# Altium PCB FPGA_POETIC.PcbDoc (part 1 of 3) (continued)
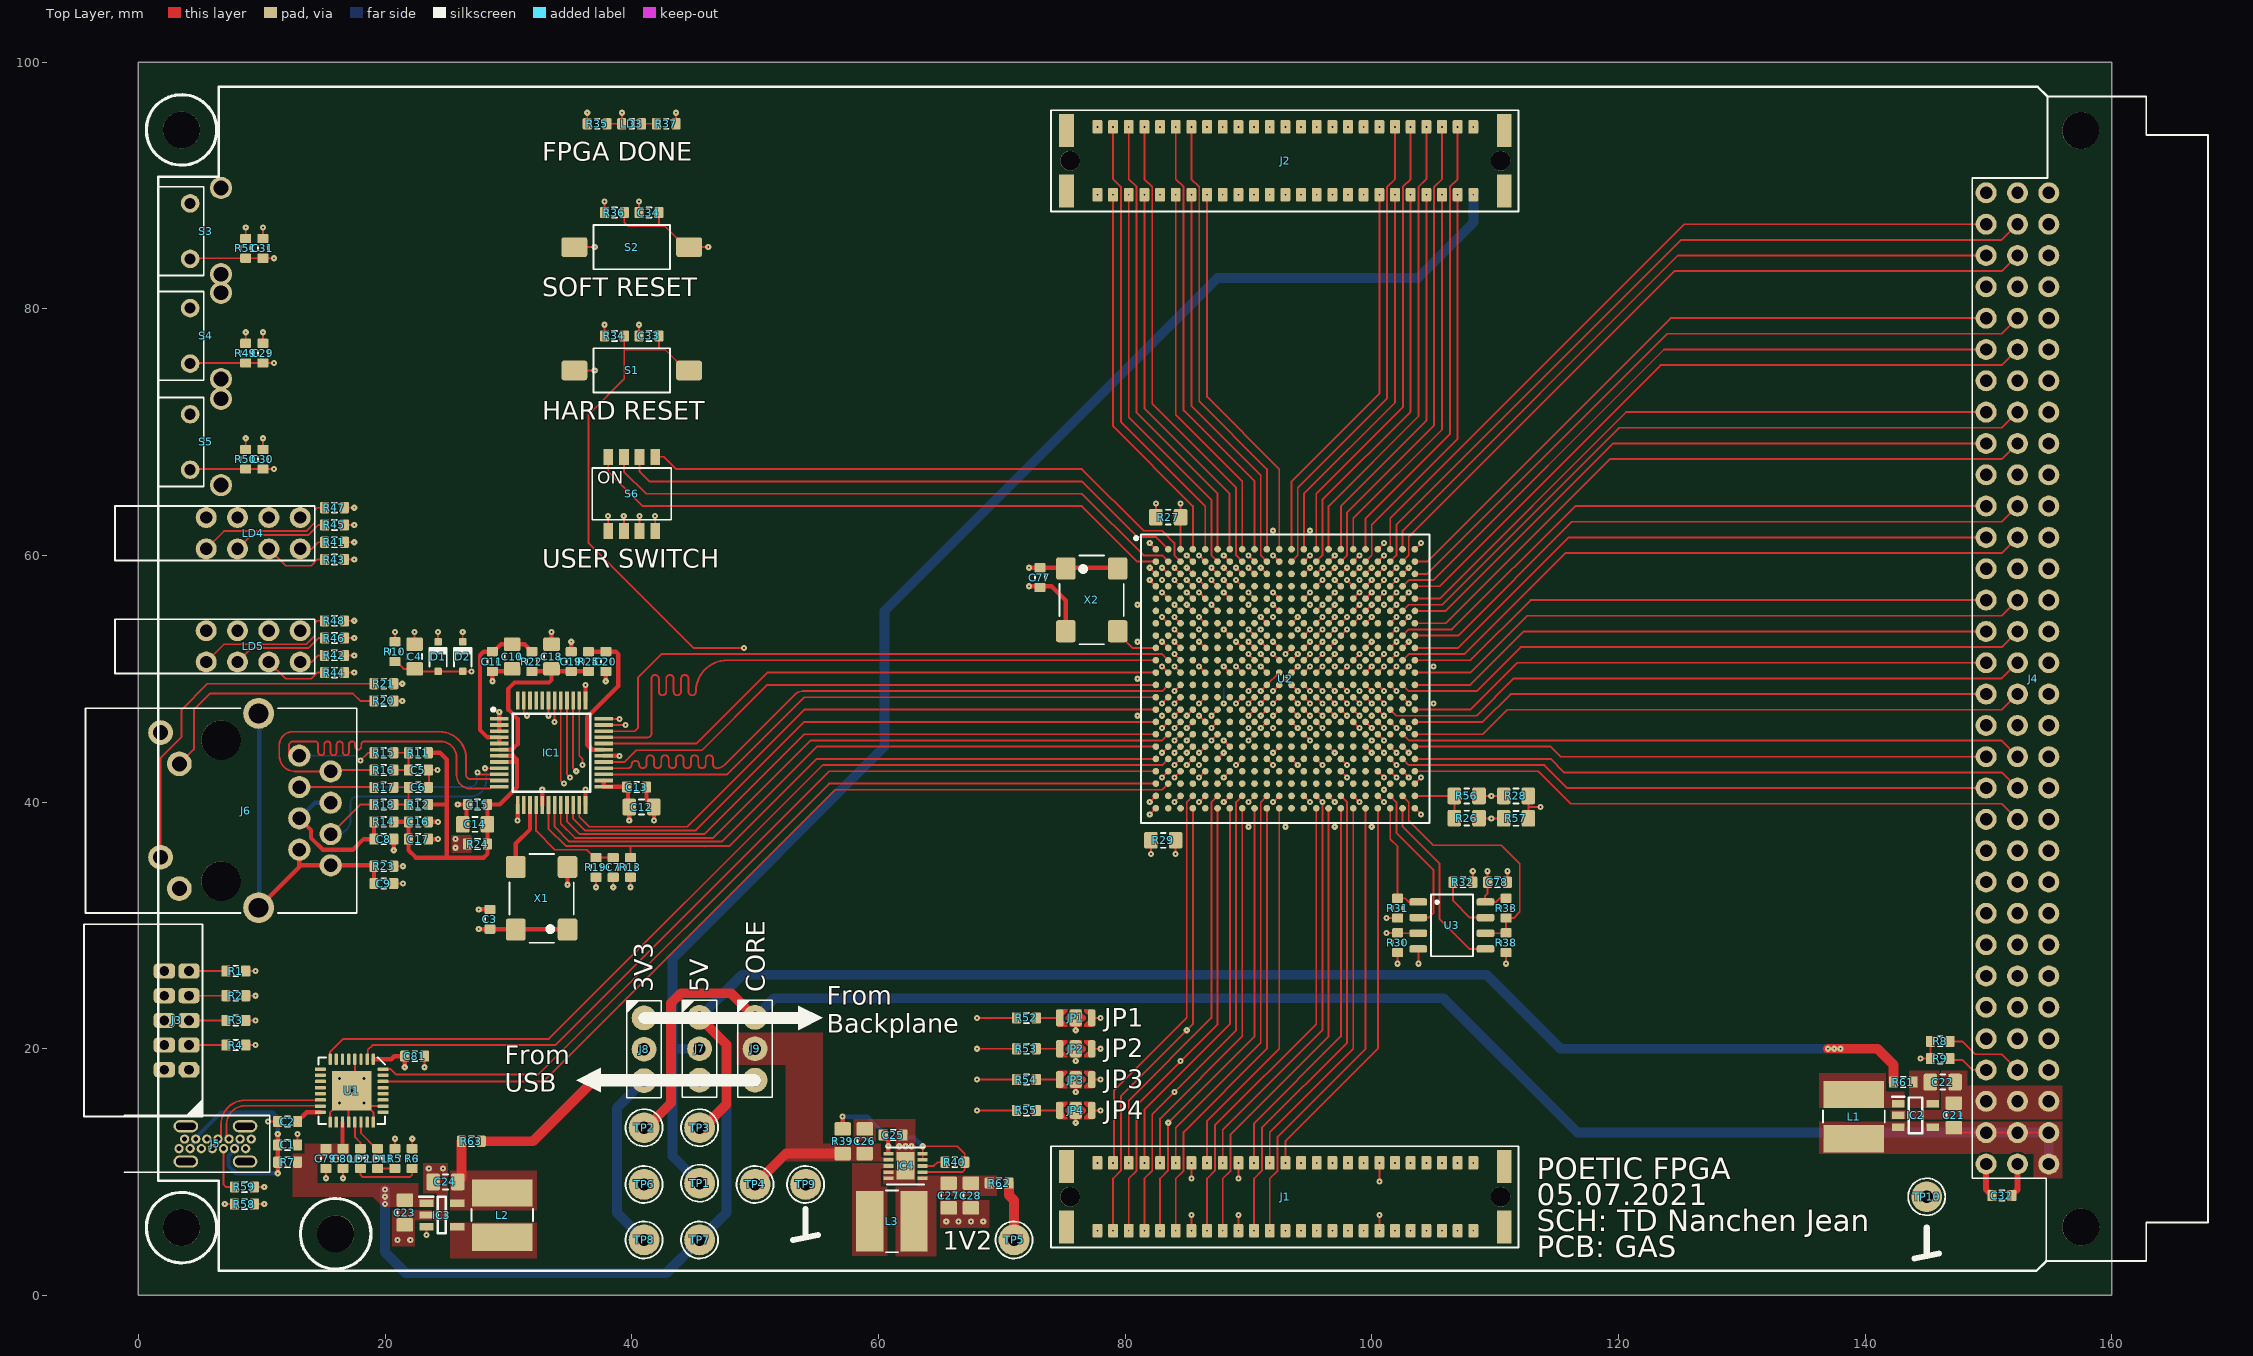
[diagram p0: Top Layer view]
## Components (designator, comment, footprint, x,y, rotation, side; value= is the part's Value field where it differs from the comment) (continued)
R13 "4.7k" "RESISTOR 1608 REFLOW" 39.9,34.7 r270 top
R14 "0" "RESISTOR 1608 REFLOW" 19.9,38.4 r0 top
R15 "49.9" "RESISTOR 1608 REFLOW" 19.9,44 r0 top
R16 "49.9" "RESISTOR 1608 REFLOW" 19.9,42.6 r0 top
R17 "49.9" "RESISTOR 1608 REFLOW" 19.9,41.2 r0 top
R18 "49.9" "RESISTOR 1608 REFLOW" 19.9,39.8 r0 top
R19 "6.49k" "RESISTOR 1608 REFLOW" 37.1,34.7 r90 top
R20 "330" "RESISTOR 1608 REFLOW" 19.9,48.2 r180 top
R21 "330" "RESISTOR 1608 REFLOW" 19.9,49.6 r180 top
R22 "Ferrite" "RESISTOR 1608 REFLOW" 31.9,51.4 r270 top
R23 "10M" "RESISTOR 1608 REFLOW" 19.9,34.8 r0 top
R24 "Ferrite" "RESISTOR 1608 REFLOW" 27.5,36.6 r180 top
R25 "Ferrite" "RESISTOR 1608 REFLOW" 36.5,51.4 r270 top
R26 "0" "RESISTOR 2012 REFLOW" 107.7,38.7 r0 top
R27 "0" "RESISTOR 2012 REFLOW" 83.5,63.1 r0 top
R28 "0" "RESISTOR 2012 REFLOW" 111.7,40.5 r0 top
R29 "4.7k" "RESISTOR 2012 REFLOW" 83.1,36.9 r180 top
R30 "10k" "RESISTOR 1608 REFLOW" 102.1,28.6 r270 top
R31 "10k" "RESISTOR 1608 REFLOW" 102.1,31.4 r270 top
R32 "10k" "RESISTOR 1608 REFLOW" 107.4,33.5 r0 top
R33 "100" "RESISTOR 1608 REFLOW" 110.9,31.4 r90 top
R34 "4.7k" "RESISTOR 1608 REFLOW" 38.6,77.8 r180 top
R35 "330" "RESISTOR 1608 REFLOW" 37.2,95 r180 top
R36 "4.7k" "RESISTOR 1608 REFLOW" 38.6,87.8 r180 top
R37 "100" "RESISTOR 1608 REFLOW" 42.8,95 r180 top
R38 "100" "RESISTOR 1608 REFLOW" 110.9,28.6 r90 top
R39 "10" "RESISTOR 2012 REFLOW" 57.1,12.5 r270 top
R40 "10k" "RESISTOR 1608 REFLOW" 66.2,10.8 r0 top
R41 "120R" "RESISTOR 1608 REFLOW" 15.9,61.07 r180 top
R42 "120R" "RESISTOR 1608 REFLOW" 15.9,51.9 r180 top
R43 "120R" "RESISTOR 1608 REFLOW" 15.9,59.67 r180 top
R44 "120R" "RESISTOR 1608 REFLOW" 15.9,50.5 r180 top
R45 "120R" "RESISTOR 1608 REFLOW" 15.9,62.47 r180 top
R46 "120R" "RESISTOR 1608 REFLOW" 15.9,53.3 r180 top
R47 "120R" "RESISTOR 1608 REFLOW" 15.9,63.87 r180 top
R48 "120R" "RESISTOR 1608 REFLOW" 15.9,54.7 r180 top
R49 "470R" "RESISTOR 1608 REFLOW" 8.7,76.4 r90 top
R50 "470R" "RESISTOR 1608 REFLOW" 8.7,67.8 r90 top
R51 "470R" "RESISTOR 1608 REFLOW" 8.7,84.9 r90 top
R52 "10k" "RESISTOR 1608 REFLOW" 72,22.5 r180 top
R53 "10k" "RESISTOR 1608 REFLOW" 72,20 r180 top
R54 "10k" "RESISTOR 1608 REFLOW" 72,17.5 r180 top
R55 "10k" "RESISTOR 1608 REFLOW" 72,15 r180 top
R56 "NC" "RESISTOR 2012 REFLOW" 107.7,40.5 r180 top
R57 "NC" "RESISTOR 2012 REFLOW" 111.7,38.68 r180 top
R58 "5.1k" "RESISTOR 1608 REFLOW" 8.6,7.4 r0 top
R59 "5.1k" "RESISTOR 1608 REFLOW" 8.6,8.8 r0 top
R61 "0" "RESISTOR 1608 REFLOW" 143.1,17.3 r180 top
R62 "0" "RESISTOR 1608 REFLOW" 69.8,9.1 r0 top
R63 "0" "RESISTOR 1608 REFLOW" 27,12.5 r0 top
S1 "*" "Push Button C6.0x3.5 Tyco FSMSM" 40,75 r0 top
S2 "*" "Push Button C6.0x3.5 Tyco FSMSM" 40,85 r0 top
S3 "FSMRA4JH04" "Push Button C7.1x3.7 TE FSMRA4JH" 1.6,86.3 r270 top locked
S4 "FSMRA4JH04" "Push Button C7.1x3.7 TE FSMRA4JH" 1.6,77.8 r270 top locked
S5 "FSMRA4JH04" "Push Button C7.1x3.7 TE FSMRA4JH" 1.6,69.2 r270 top locked
S6 "*" "DIP SWITCH MULTICOMP  MCDHN-04F" 40,65 r0 top
TP1 "*" "Test Point Keystone Miniature RED" 45.5,9.1 r0 top
TP2 "*" "Test Point Keystone Miniature RED" 41,13.6 r0 top
TP3 "*" "Test Point Keystone Miniature RED" 45.5,13.6 r0 top
TP4 "*" "Test Point Keystone Miniature RED" 50,9 r0 top
TP5 "*" "Test Point Keystone Miniature RED" 71,4.5 r0 top
TP6 "*" "Test Point Keystone Miniature RED" 41,9 r0 top
TP7 "*" "Test Point Keystone Miniature RED" 45.5,4.5 r0 top
TP8 "*" "Test Point Keystone Miniature RED" 41,4.5 r0 top
TP9 "*" "Test Point Keystone Miniature BLACK" 54.1,9 r0 top
TP10 "*" "Test Point Keystone Miniature BLACK" 145,8 r90 top
U1 "FT232RQ" "QFN32 P0.5 T3.2x3.2 C5.0X5.0 H1.0" 17.3,16.6 r270 top
U2 "XC6SLX75-FG484" "BGA484 P1.0 C23X23 H2.2" 93,50 r0 top locked
U3 "IS25LP064D-JB" "SO8 P1.27 C4.0X5.0 H1.75" 106.5,30 r0 top
X1 "831019170" "Oscillator C5.2x7.2 IQD LFSPXO" 32.7,32.2 r90 top
X2 "831022731" "Oscillator C5.2x7.2 IQD LFSPXO" 77.3,56.4 r270 top

## Footprints (in the part's own frame and the unit in brackets; to place one, negate y for a bottom-side part, rotate by r counter-clockwise, add the part's x,y. Pads: shape width x height; smd on the part's side, far side on the other; paste and mask are expansions set on the pad)
"BGA484 P1.0 C23X23 H2.2" [mm] "BGA, 484-Balls, Body 23x23mm, Pitch 1mm, Microsemi"
  round 0.54 smd paste-0.06: A1(-10.5,10.5) A2(-9.5,10.5) A3(-8.5,10.5) A4(-7.5,10.5) A5(-6.5,10.5) A6(-5.5,10.5) A7(-4.5,10.5) A8(-3.5,10.5) A9(-2.5,10.5) A10(-1.5,10.5) A11(-0.5,10.5) A12(0.5,10.5) A13(1.5,10.5) A14(2.5,10.5) A15(3.5,10.5) A16(4.5,10.5) A17(5.5,10.5) A18(6.5,10.5) A19(7.5,10.5) A20(8.5,10.5) A21(9.5,10.5) A22(10.5,10.5) AA1(-10.5,-9.5) AA2(-9.5,-9.5) AA3(-8.5,-9.5) AA4(-7.5,-9.5) AA5(-6.5,-9.5) AA6(-5.5,-9.5) AA7(-4.5,-9.5) AA8(-3.5,-9.5) AA9(-2.5,-9.5) AA10(-1.5,-9.5) AA11(-0.5,-9.5) AA12(0.5,-9.5) AA13(1.5,-9.5) AA14(2.5,-9.5) AA15(3.5,-9.5) AA16(4.5,-9.5) AA17(5.5,-9.5) AA18(6.5,-9.5) AA19(7.5,-9.5) AA20(8.5,-9.5) AA21(9.5,-9.5) AA22(10.5,-9.5) AB1(-10.5,-10.5) AB2(-9.5,-10.5) AB3(-8.5,-10.5) AB4(-7.5,-10.5) AB5(-6.5,-10.5) AB6(-5.5,-10.5) AB7(-4.5,-10.5) AB8(-3.5,-10.5) AB9(-2.5,-10.5) AB10(-1.5,-10.5) AB11(-0.5,-10.5) AB12(0.5,-10.5) AB13(1.5,-10.5) AB14(2.5,-10.5) AB15(3.5,-10.5) AB16(4.5,-10.5) AB17(5.5,-10.5) AB18(6.5,-10.5) AB19(7.5,-10.5) AB20(8.5,-10.5) AB21(9.5,-10.5) AB22(10.5,-10.5) B1(-10.5,9.5) B2(-9.5,9.5) B3(-8.5,9.5) B4(-7.5,9.5) B5(-6.5,9.5) B6(-5.5,9.5) B7(-4.5,9.5) B8(-3.5,9.5) B9(-2.5,9.5) B10(-1.5,9.5) B11(-0.5,9.5) B12(0.5,9.5) B13(1.5,9.5) B14(2.5,9.5) B15(3.5,9.5) B16(4.5,9.5) B17(5.5,9.5) B18(6.5,9.5) B19(7.5,9.5) B20(8.5,9.5) B21(9.5,9.5) B22(10.5,9.5) C1(-10.5,8.5) C2(-9.5,8.5) C3(-8.5,8.5) C4(-7.5,8.5) C5(-6.5,8.5) C6(-5.5,8.5) C7(-4.5,8.5) C8(-3.5,8.5) C9(-2.5,8.5) C10(-1.5,8.5) C11(-0.5,8.5) C12(0.5,8.5) C13(1.5,8.5) C14(2.5,8.5) C15(3.5,8.5) C16(4.5,8.5) C17(5.5,8.5) C18(6.5,8.5) C19(7.5,8.5) C20(8.5,8.5) C21(9.5,8.5) C22(10.5,8.5) D1(-10.5,7.5) D2(-9.5,7.5) D3(-8.5,7.5) D4(-7.5,7.5) D5(-6.5,7.5) D6(-5.5,7.5) D7(-4.5,7.5) D8(-3.5,7.5) D9(-2.5,7.5) D10(-1.5,7.5) D11(-0.5,7.5) D12(0.5,7.5) D13(1.5,7.5) D14(2.5,7.5) D15(3.5,7.5) D16(4.5,7.5) D17(5.5,7.5) D18(6.5,7.5) D19(7.5,7.5) D20(8.5,7.5) D21(9.5,7.5) D22(10.5,7.5) E1(-10.5,6.5) E2(-9.5,6.5) E3(-8.5,6.5) E4(-7.5,6.5) E5(-6.5,6.5) E6(-5.5,6.5) E7(-4.5,6.5) E8(-3.5,6.5) E9(-2.5,6.5) E10(-1.5,6.5) E11(-0.5,6.5) E12(0.5,6.5) E13(1.5,6.5) E14(2.5,6.5) E15(3.5,6.5) E16(4.5,6.5) E17(5.5,6.5) E18(6.5,6.5) E19(7.5,6.5) E20(8.5,6.5) E21(9.5,6.5) E22(10.5,6.5) F1(-10.5,5.5) F2(-9.5,5.5) F3(-8.5,5.5) F4(-7.5,5.5) F5(-6.5,5.5) F6(-5.5,5.5) F7(-4.5,5.5) F8(-3.5,5.5) F9(-2.5,5.5) F10(-1.5,5.5) F11(-0.5,5.5) F12(0.5,5.5) F13(1.5,5.5) F14(2.5,5.5) F15(3.5,5.5) F16(4.5,5.5) F17(5.5,5.5) F18(6.5,5.5) F19(7.5,5.5) F20(8.5,5.5) F21(9.5,5.5) F22(10.5,5.5) G1(-10.5,4.5) G2(-9.5,4.5) G3(-8.5,4.5) G4(-7.5,4.5) G5(-6.5,4.5) G6(-5.5,4.5) G7(-4.5,4.5) G8(-3.5,4.5) G9(-2.5,4.5) G10(-1.5,4.5) G11(-0.5,4.5) G12(0.5,4.5) G13(1.5,4.5) G14(2.5,4.5) G15(3.5,4.5) G16(4.5,4.5) G17(5.5,4.5) G18(6.5,4.5) G19(7.5,4.5) G20(8.5,4.5) G21(9.5,4.5) G22(10.5,4.5) H1(-10.5,3.5) H2(-9.5,3.5) H3(-8.5,3.5) H4(-7.5,3.5) H5(-6.5,3.5) H6(-5.5,3.5) H7(-4.5,3.5) H8(-3.5,3.5) H9(-2.5,3.5) H10(-1.5,3.5) H11(-0.5,3.5) H12(0.5,3.5) H13(1.5,3.5) H14(2.5,3.5) H15(3.5,3.5) H16(4.5,3.5) H17(5.5,3.5) H18(6.5,3.5) H19(7.5,3.5) H20(8.5,3.5) H21(9.5,3.5) H22(10.5,3.5) J1(-10.5,2.5) J2(-9.5,2.5) J3(-8.5,2.5) J4(-7.5,2.5) J5(-6.5,2.5) J6(-5.5,2.5) J7(-4.5,2.5) J8(-3.5,2.5) J9(-2.5,2.5) J10(-1.5,2.5) J11(-0.5,2.5) J12(0.5,2.5) J13(1.5,2.5) J14(2.5,2.5) J15(3.5,2.5) J16(4.5,2.5) J17(5.5,2.5) J18(6.5,2.5) J19(7.5,2.5) J20(8.5,2.5) J21(9.5,2.5) J22(10.5,2.5) K1(-10.5,1.5) K2(-9.5,1.5) K3(-8.5,1.5) K4(-7.5,1.5) K5(-6.5,1.5) K6(-5.5,1.5) K7(-4.5,1.5) K8(-3.5,1.5) K9(-2.5,1.5) K10(-1.5,1.5) K11(-0.5,1.5) K12(0.5,1.5) K13(1.5,1.5) K14(2.5,1.5) K15(3.5,1.5) K16(4.5,1.5) K17(5.5,1.5) K18(6.5,1.5) K19(7.5,1.5) K20(8.5,1.5) K21(9.5,1.5) K22(10.5,1.5) L1(-10.5,0.5) L2(-9.5,0.5) L3(-8.5,0.5) L4(-7.5,0.5) L5(-6.5,0.5) L6(-5.5,0.5) L7(-4.5,0.5) L8(-3.5,0.5) L9(-2.5,0.5) L10(-1.5,0.5) L11(-0.5,0.5) L12(0.5,0.5) L13(1.5,0.5) L14(2.5,0.5) L15(3.5,0.5) L16(4.5,0.5) L17(5.5,0.5) L18(6.5,0.5) L19(7.5,0.5) L20(8.5,0.5) L21(9.5,0.5) L22(10.5,0.5) M1(-10.5,-0.5) M2(-9.5,-0.5) M3(-8.5,-0.5) M4(-7.5,-0.5) M5(-6.5,-0.5) M6(-5.5,-0.5) M7(-4.5,-0.5) M8(-3.5,-0.5) M9(-2.5,-0.5) M10(-1.5,-0.5) M11(-0.5,-0.5) M12(0.5,-0.5) M13(1.5,-0.5) M14(2.5,-0.5) M15(3.5,-0.5) M16(4.5,-0.5) M17(5.5,-0.5) M18(6.5,-0.5) M19(7.5,-0.5) M20(8.5,-0.5) M21(9.5,-0.5) M22(10.5,-0.5) N1(-10.5,-1.5) N2(-9.5,-1.5) N3(-8.5,-1.5) N4(-7.5,-1.5) N5(-6.5,-1.5) N6(-5.5,-1.5) N7(-4.5,-1.5) N8(-3.5,-1.5) N9(-2.5,-1.5) N10(-1.5,-1.5) N11(-0.5,-1.5) N12(0.5,-1.5) N13(1.5,-1.5) N14(2.5,-1.5) N15(3.5,-1.5) N16(4.5,-1.5) N17(5.5,-1.5) N18(6.5,-1.5) N19(7.5,-1.5) N20(8.5,-1.5) N21(9.5,-1.5) N22(10.5,-1.5) P1(-10.5,-2.5) P2(-9.5,-2.5) P3(-8.5,-2.5) P4(-7.5,-2.5) P5(-6.5,-2.5) P6(-5.5,-2.5) P7(-4.5,-2.5) P8(-3.5,-2.5) P9(-2.5,-2.5) P10(-1.5,-2.5) P11(-0.5,-2.5) P12(0.5,-2.5) P13(1.5,-2.5) P14(2.5,-2.5) P15(3.5,-2.5) P16(4.5,-2.5) P17(5.5,-2.5) P18(6.5,-2.5) P19(7.5,-2.5) P20(8.5,-2.5) P21(9.5,-2.5) P22(10.5,-2.5) R1(-10.5,-3.5) R2(-9.5,-3.5) R3(-8.5,-3.5) R4(-7.5,-3.5) R5(-6.5,-3.5) R6(-5.5,-3.5) R7(-4.5,-3.5) R8(-3.5,-3.5) R9(-2.5,-3.5) R10(-1.5,-3.5) R11(-0.5,-3.5) R12(0.5,-3.5) R13(1.5,-3.5) R14(2.5,-3.5) R15(3.5,-3.5) R16(4.5,-3.5) R17(5.5,-3.5) R18(6.5,-3.5) R19(7.5,-3.5) R20(8.5,-3.5) R21(9.5,-3.5) R22(10.5,-3.5) T1(-10.5,-4.5) T2(-9.5,-4.5) T3(-8.5,-4.5) T4(-7.5,-4.5) T5(-6.5,-4.5) T6(-5.5,-4.5) T7(-4.5,-4.5) T8(-3.5,-4.5) T9(-2.5,-4.5) T10(-1.5,-4.5) T11(-0.5,-4.5) T12(0.5,-4.5) T13(1.5,-4.5) T14(2.5,-4.5) T15(3.5,-4.5) T16(4.5,-4.5) T17(5.5,-4.5) T18(6.5,-4.5) T19(7.5,-4.5) T20(8.5,-4.5) T21(9.5,-4.5) T22(10.5,-4.5) U1(-10.5,-5.5) U2(-9.5,-5.5) U3(-8.5,-5.5) U4(-7.5,-5.5) U5(-6.5,-5.5) U6(-5.5,-5.5) U7(-4.5,-5.5) U8(-3.5,-5.5) U9(-2.5,-5.5) U10(-1.5,-5.5) U11(-0.5,-5.5) U12(0.5,-5.5) U13(1.5,-5.5) U14(2.5,-5.5) U15(3.5,-5.5) U16(4.5,-5.5) U17(5.5,-5.5) U18(6.5,-5.5) U19(7.5,-5.5) U20(8.5,-5.5) U21(9.5,-5.5) U22(10.5,-5.5) V1(-10.5,-6.5) V2(-9.5,-6.5) V3(-8.5,-6.5) V4(-7.5,-6.5) V5(-6.5,-6.5) V6(-5.5,-6.5) V7(-4.5,-6.5) V8(-3.5,-6.5) V9(-2.5,-6.5) V10(-1.5,-6.5) V11(-0.5,-6.5) V12(0.5,-6.5) V13(1.5,-6.5) V14(2.5,-6.5) V15(3.5,-6.5) V16(4.5,-6.5) V17(5.5,-6.5) V18(6.5,-6.5) V19(7.5,-6.5) V20(8.5,-6.5) V21(9.5,-6.5) V22(10.5,-6.5) W1(-10.5,-7.5) W2(-9.5,-7.5) W3(-8.5,-7.5) W4(-7.5,-7.5) W5(-6.5,-7.5) W6(-5.5,-7.5) W7(-4.5,-7.5) W8(-3.5,-7.5) W9(-2.5,-7.5) W10(-1.5,-7.5) W11(-0.5,-7.5) W12(0.5,-7.5) W13(1.5,-7.5) W14(2.5,-7.5) W15(3.5,-7.5) W16(4.5,-7.5) W17(5.5,-7.5) W18(6.5,-7.5) W19(7.5,-7.5) W20(8.5,-7.5) W21(9.5,-7.5) W22(10.5,-7.5) Y1(-10.5,-8.5) Y2(-9.5,-8.5) Y3(-8.5,-8.5) Y4(-7.5,-8.5) Y5(-6.5,-8.5) Y6(-5.5,-8.5) Y7(-4.5,-8.5) Y8(-3.5,-8.5) Y9(-2.5,-8.5) Y10(-1.5,-8.5) Y11(-0.5,-8.5) Y12(0.5,-8.5) Y13(1.5,-8.5) Y14(2.5,-8.5) Y15(3.5,-8.5) Y16(4.5,-8.5) Y17(5.5,-8.5) Y18(6.5,-8.5) Y19(7.5,-8.5) Y20(8.5,-8.5) Y21(9.5,-8.5) Y22(10.5,-8.5)
  silkscreen extent -12.22,-11.7 11.7,11.7, body extent -11.5,-11.5 11.5,11.5, height 2.23
"CAPACITOR 1005 REFLOW" [mm] "Capacitor SMD 1.0x0.5mm (0402-imperial)"
  rrect25% 0.6x0.6 smd: 1(-0.5,0) 2(0.5,0)
  body extent -0.5,-0.25 0.5,0.25, height 0.5
"CAPACITOR 1608 REFLOW" [mm] "Capacitor SMD 1.6x0.8mm (0603-imperial)"
  rrect25% 0.75x0.9 smd: 1(-0.8,0) 2(0.8,0)
  silkscreen extent -0.2,-0.4 0.2,0.4, body extent -0.8,-0.4 0.8,0.4, height 0.8
"CAPACITOR 2012 REFLOW" [mm] "Capacitor SMD 2.0x1.2mm (0805-imperial)"
  rrect25% 1.1x1.35 smd: 1(-1,0) 2(1,0)
  silkscreen extent -0.2,-0.6 0.2,0.6, body extent -1,-0.6 1,0.6, height 1
"CAPACITOR 3216 REFLOW" [mm] "Capacitor SMD 3.2x1.6mm (1206-imperial)"
  rrect25% 1.35x1.75 smd: 1(-1.5,0) 2(1.5,0)
  silkscreen extent -0.6,-0.9 0.6,0.9, body extent -1.7,-0.9 1.7,0.9, height 1.6
"DIN41612 MALE 3X32 ABC R90" [mm] "DIN41612 MALE 3X32 ABC R90"
  round 3 hole 3 paste-25.4 mask-25.4: 0(-44.45,-10.1) 0(44.45,-10.1)
  round 1.7 hole 1: A1(-39.4,-12.7) A2(-36.86,-12.7) A3(-34.32,-12.7) A4(-31.78,-12.7) A5(-29.24,-12.7) A6(-26.7,-12.7) A7(-24.16,-12.7) A8(-21.62,-12.7) A9(-19.08,-12.7) A10(-16.54,-12.7) A11(-14,-12.7) A12(-11.46,-12.7) A13(-8.92,-12.7) A14(-6.38,-12.7) A15(-3.84,-12.7) A16(-1.3,-12.7) A17(1.24,-12.7) A18(3.78,-12.7) A19(6.32,-12.7) A20(8.86,-12.7) A21(11.4,-12.7) A22(13.94,-12.7) A23(16.48,-12.7) A24(19.02,-12.7) A25(21.56,-12.7) A26(24.1,-12.7) A27(26.64,-12.7) A28(29.18,-12.7) A29(31.72,-12.7) A30(34.26,-12.7) A31(36.8,-12.7) A32(39.34,-12.7) B1(-39.4,-15.24) B2(-36.86,-15.24) B3(-34.32,-15.24) B4(-31.78,-15.24) B5(-29.24,-15.24) B6(-26.7,-15.24) B7(-24.16,-15.24) B8(-21.62,-15.24) B9(-19.08,-15.24) B10(-16.54,-15.24) B11(-14,-15.24) B12(-11.46,-15.24) B13(-8.92,-15.24) B14(-6.38,-15.24) B15(-3.84,-15.24) B16(-1.3,-15.24) B17(1.24,-15.24) B18(3.78,-15.24) B19(6.32,-15.24) B20(8.86,-15.24) B21(11.4,-15.24) B22(13.94,-15.24) B23(16.48,-15.24) B24(19.02,-15.24) B25(21.56,-15.24) B26(24.1,-15.24) B27(26.64,-15.24) B28(29.18,-15.24) B29(31.72,-15.24) B30(34.26,-15.24) B31(36.8,-15.24) B32(39.34,-15.24) C1(-39.4,-17.78) C2(-36.86,-17.78) C3(-34.32,-17.78) C4(-31.78,-17.78) C5(-29.24,-17.78) C6(-26.7,-17.78) C7(-24.16,-17.78) C8(-21.62,-17.78) C9(-19.08,-17.78) C10(-16.54,-17.78) C11(-14,-17.78) C12(-11.46,-17.78) C13(-8.92,-17.78) C14(-6.38,-17.78) C15(-3.84,-17.78) C16(-1.3,-17.78) C17(1.24,-17.78) C18(3.78,-17.78) C19(6.32,-17.78) C20(8.86,-17.78) C21(11.4,-17.78) C22(13.94,-17.78) C23(16.48,-17.78) C24(19.02,-17.78) C25(21.56,-17.78) C26(24.1,-17.78) C27(26.64,-17.78) C28(29.18,-17.78) C29(31.72,-17.78) C30(34.26,-17.78) C31(36.8,-17.78) C32(39.34,-17.78)
  silkscreen extent -47.2,-18.9 47.2,0.2, body extent -47,-18.08 47,0, height 9.5
"DIODE SOD323 REFLOW" [mm] "DIODE SMD SOD323, 2-Leads, Body 1.8x1.40mm"
  rrect25% 0.6x0.6 smd: 1(-1.2,0) 2(1.2,0)
  silkscreen extent -0.78,-0.7 0.8,0.7, body extent -1.3,-0.7 1.3,0.7, height 1.2
"DIP SWITCH MULTICOMP  MCDHN-04F" [mm] "DIP SWITCH MULTICOMP  MCDHN-04F, P1.27"
  rect 0.8x1.3 smd: 1(-1.905,-3) 2(-1.905,3) 3(-0.635,-3) 4(-0.635,3) 5(0.635,-3) 6(0.635,3) 7(1.905,-3) 8(1.905,3)
  silkscreen extent -3.2,-2.1 3.2,2.1, body extent -3.2,-2.25 3.2,2.25, height 1.46
"ERNI SMC-B50-SMD-BA" [mm] "Female 1.27 pitch 2x20 pin connector, 9.05 height"
  rect 1.2x2.7 smd: 0(-17.75,-2.45) 0(-17.75,2.45) 0(17.75,-2.45) 0(17.75,2.45)
  round 1.6 hole 1.6 unplated: 0(-17.45,0) 0(17.45,0)
  rrect25% 0.8x1.1 smd: a1(15.24,2.75) a1(15.24,2.75) a2(13.97,2.75) a3(12.7,2.75) a4(11.43,2.75) a5(10.16,2.75) a6(8.89,2.75) a7(7.62,2.75) a8(6.35,2.75) a9(5.08,2.75) a10(3.81,2.75) a11(2.54,2.75) a12(1.27,2.75) a13(0,2.75) a14(-1.27,2.75) a15(-2.54,2.75) a16(-3.81,2.75) a17(-5.08,2.75) a18(-6.35,2.75) a19(-7.62,2.75) a20(-8.89,2.75) a21(-10.16,2.75) a22(-11.43,2.75) a23(-12.7,2.75) a24(-13.97,2.75) a25(-15.24,2.75) b1(15.24,-2.75) b1(15.24,-2.75) b2(13.97,-2.75) b3(12.7,-2.75) b4(11.43,-2.75) b5(10.16,-2.75) b6(8.89,-2.75) b7(7.62,-2.75) b8(6.35,-2.75) b9(5.08,-2.75) b10(3.81,-2.75) b11(2.54,-2.75) b12(1.27,-2.75) b13(0,-2.75) b14(-1.27,-2.75) b15(-2.54,-2.75) b16(-3.81,-2.75) b17(-5.08,-2.75) b18(-6.35,-2.75) b19(-7.62,-2.75) b20(-8.89,-2.75) b21(-10.16,-2.75) b22(-11.43,-2.75) b23(-12.7,-2.75) b24(-13.97,-2.75) b25(-15.24,-2.75)
  silkscreen extent -18.9,-4.1 19,4.1, body extent -18.42,-3.6 18.41,3.6, height 9.05
"ERNI SMC-Q50-SMD-BA" [mm] "Male 1.27 pitch 2x20 pin connector, 6.75 height"
  rect 1.2x2.7 smd: 0(-17.75,-2.45) 0(-17.75,2.45) 0(17.75,-2.45) 0(17.75,2.45)
  round 1.6 hole 1.6 unplated: 0(-17.45,0) 0(17.45,0)
  rrect25% 0.8x1.1 smd: a1(15.24,-2.75) a1(15.24,-2.75) a2(13.97,-2.75) a3(12.7,-2.75) a4(11.43,-2.75) a5(10.16,-2.75) a6(8.89,-2.75) a7(7.62,-2.75) a8(6.35,-2.75) a9(5.08,-2.75) a10(3.81,-2.75) a11(2.54,-2.75) a12(1.27,-2.75) a13(0,-2.75) a14(-1.27,-2.75) a15(-2.54,-2.75) a16(-3.81,-2.75) a17(-5.08,-2.75) a18(-6.35,-2.75) a19(-7.62,-2.75) a20(-8.89,-2.75) a21(-10.16,-2.75) a22(-11.43,-2.75) a23(-12.7,-2.75) a24(-13.97,-2.75) a25(-15.24,-2.75) b1(15.24,2.75) b1(15.24,2.75) b2(13.97,2.75) b3(12.7,2.75) b4(11.43,2.75) b5(10.16,2.75) b6(8.89,2.75) b7(7.62,2.75) b8(6.35,2.75) b9(5.08,2.75) b10(3.81,2.75) b11(2.54,2.75) b12(1.27,2.75) b13(0,2.75) b14(-1.27,2.75) b15(-2.54,2.75) b16(-3.81,2.75) b17(-5.08,2.75) b18(-6.35,2.75) b19(-7.62,2.75) b20(-8.89,2.75) b21(-10.16,2.75) b22(-11.43,2.75) b23(-12.7,2.75) b24(-13.97,2.75) b25(-15.24,2.75)
  silkscreen extent -19,-4.1 19,4.1, body extent -18.42,-3.5 18.41,3.5, height 6.8
"FlatCable2x5 2MM Right Angle TH FCI 98614-G61-10ULF" [mm] "FlatCable2x5 2MM Right Angle TH FCI 98614-G61-10ULF"
  oct 1.219x1.727 hole 0.8: 1(4,1)
  rrect50% 1.219x1.727 hole 0.8: 2(4,-1) 3(2,1) 4(2,-1) 5(0,1) 6(0,-1) 7(-2,1) 8(-2,-1) 9(-4,1) 10(-4,-1)
  silkscreen extent -7.8,-7.5 7.8,2.1, body extent -6,-7.2 6,1.3, height 6.1
"JUMPER3 SMD 2012" [mm] "JUMPER SMD 3 LEADS 2012 (0805-Imperial)"
  rrect50% 0.6x1.4 smd paste-0.8: 1(-1.3,0) 3(1.3,0)
  rrect50% 1x1.4 smd paste-0.8: 2(0,0)
  Top Layer region: -0.5,0.4 -0.8,0.1 -0.8,-0.1 -0.5,-0.4 -0.5,-0.7 0.5,-0.7 0.5,-0.4 0.8,-0.1 0.8,0.1 0.5,0.4 0.5,0.7 -0.5,0.7
  Top Layer region: 0.7,0.5 1.2,0 0.7,-0.5 0.7,-0.7 1.4,-0.7 1.4,0.7 0.7,0.7
  Top Layer region: -1.4,0.7 -1.4,-0.7 -0.7,-0.7 -0.7,-0.5 -1.2,0 -0.7,0.5 -0.7,0.7
  body extent -1.4,-0.6 1.4,0.6, height 0.6
"LED 1608 REFLOW" [mm] "LED SMD 1.6x0.8mm (0603-imperial)"
  rrect25% 0.75x0.9 smd: 1(-0.8,0) 2(0.8,0)
  silkscreen extent -0.2,-0.4 0.2,0.4, body extent -0.8,-0.4 0.8,0.4, height 0.45
"LED Dialight 568-0721-111" [mm] "3mm LED CBI  Circuit Board Indicator  QUAD-LEVEL"
  round 1.7 hole 1: 1(0,-1.27) 2(0,1.27) 3(2.54,-1.27) 4(2.54,1.27) 5(5.08,-1.27) 6(5.08,1.27) 7(7.62,-1.27) 8(7.62,1.27)
  silkscreen extent -7.4,-2.2 8.8,2.2, body extent -9.6,-2.2 8.8,2.2, height 12.7
"Oscillator C5.2x7.2 IQD LFSPXO" [mm] "Oscillator C5.2x7.2 IQD LFSPXO"
  rrect25% 1.8x1.6 smd: 1(-2.54,-2.1) 2(2.54,-2.1) 3(2.54,2.1) 4(-2.54,2.1)
  silkscreen extent -3.6,-2.6 3.6,2.6, body extent -3.6,-2.6 3.6,2.6, height 1.91
"PinHeader1x3 P2.54" [mm] "Plug connector"
  round 2 hole 1: 1(-2.54,0) 2(0,0) 3(2.54,0)
  silkscreen extent -3.94,-1.4 3.94,1.4, body extent -3.88,-1.27 3.74,1.27, height 8.5
"Push Button C6.0x3.5 Tyco FSMSM" [mm] "Push Button C6.0x3.5 Tyco FSMSM"
  rrect25% 2.1x1.6 smd: 1(-4.65,0) 2(4.65,0)
  silkscreen extent -3.1,-1.8 3.1,1.8, body extent -3,-1.75 3,1.75, height 4.3
"Push Button C7.1x3.7 TE FSMRA4JH" [mm] "Push Button C7.1x3.7 TE FSMRA4JH"
  round 1.8 hole 1.2: 0(-3.5,5.1) 0(3.5,5.1)
  round 1.5 hole 0.9: 1(-2.25,2.6) 2(2.25,2.6)
  silkscreen extent -3.6,0 3.6,3.7, body extent -3.7,-5.75 3.7,6.6, height 7
"QFN32 P0.5 T3.2x3.2 C5.0X5.0 H1.0" [mm] "QFN32 Pitch 0.5mm, Thermal pad 3.2x3.2mm, Body 5X5mm, Heigh 1.0mm"
  rrect50% 0.9x0.28 smd: 1(-2.55,1.75) 2(-2.55,1.25) 3(-2.55,0.75) 4(-2.55,0.25) 5(-2.55,-0.25) 6(-2.55,-0.75) 7(-2.55,-1.25) 8(-2.55,-1.75) 17(2.55,-1.75) 18(2.55,-1.25) 19(2.55,-0.75) 20(2.55,-0.25) 21(2.55,0.25) 22(2.55,0.75) 23(2.55,1.25) 24(2.55,1.75)
  rrect50% 0.28x0.9 smd: 9(-1.75,-2.55) 10(-1.25,-2.55) 11(-0.75,-2.55) 12(-0.25,-2.55) 13(0.25,-2.55) 14(0.75,-2.55) 15(1.25,-2.55) 16(1.75,-2.55) 25(1.75,2.55) 26(1.25,2.55) 27(0.75,2.55) 28(0.25,2.55) 29(-0.25,2.55) 30(-0.75,2.55) 31(-1.25,2.55) 32(-1.75,2.55)
  rect 3.2x3.2 smd: 33(0,0)
  silkscreen extent -2.7,-2.7 2.7,2.7, body extent -2.55,-2.55 2.55,2.55, height 1.01
QFP50P900X900X105-48N [mm]
  rect 1.475x0.3 smd: 1(-4.238,2.75) 2(-4.238,2.25) 3(-4.238,1.75) 4(-4.238,1.25) 5(-4.238,0.75) 6(-4.238,0.25) 7(-4.238,-0.25) 8(-4.238,-0.75) 9(-4.238,-1.25) 10(-4.238,-1.75) 11(-4.238,-2.25) 12(-4.238,-2.75) 25(4.238,-2.75) 26(4.238,-2.25) 27(4.238,-1.75) 28(4.238,-1.25) 29(4.238,-0.75) 30(4.238,-0.25) 31(4.238,0.25) 32(4.238,0.75) 33(4.238,1.25) 34(4.238,1.75) 35(4.238,2.25) 36(4.238,2.75)
  rect 0.3x1.475 smd: 13(-2.75,-4.238) 14(-2.25,-4.238) 15(-1.75,-4.238) 16(-1.25,-4.238) 17(-0.75,-4.238) 18(-0.25,-4.238) 19(0.25,-4.238) 20(0.75,-4.238) 21(1.25,-4.238) 22(1.75,-4.238) 23(2.25,-4.238) 24(2.75,-4.238) 37(2.75,4.238) 38(2.25,4.238) 39(1.75,4.238) 40(1.25,4.238) 41(0.75,4.238) 42(0.25,4.238) 43(-0.25,4.238) 44(-0.75,4.238) 45(-1.25,4.238) 46(-1.75,4.238) 47(-2.25,4.238) 48(-2.75,4.238)
  silkscreen extent -4.85,-3.15 3.15,3.62, body extent -4.5,-4.5 4.5,4.5, height 1.05
"RESISTOR 1608 REFLOW" [mm] "Resistor SMD 1.6x0.8mm (0603-imperial)"
  rrect25% 0.75x0.9 smd: 1(-0.8,0) 2(0.8,0)
  silkscreen extent -0.2,-0.4 0.2,0.4, body extent -0.77,-0.42 0.78,0.43, height 0.45
"RESISTOR 2012 REFLOW" [mm] "Resistor SMD 2.0x1.2mm (0805-imperial)"
  rrect25% 1.1x1.35 smd: 1(-1,0) 2(1,0)
  silkscreen extent -0.2,-0.6 0.2,0.6, body extent -1,-0.62 1,0.63, height 0.45
"RJ45 PULSE J0011D21BNL" [mm] "100 Base-TX (Fast Ethernet) RJ45 1x1 Tab-DOWN with LEDs 8-pin"
  round 3.2 hole 3.2 unplated paste-25.4 mask-25.4: 0(-5.715,-10.8) 0(5.715,-10.8)
  round 1.8 hole 1.1: 1(4.445,-17.15) 2(3.175,-19.69) 3(1.905,-17.15) 4(0.635,-19.69) 5(-0.635,-17.15) 6(-1.905,-19.69) 7(-3.175,-17.15) 8(-4.445,-19.69)
  round 2 hole 1.2: 9(6.325,-5.898) 10(3.785,-7.422) 11(-3.785,-5.898) 12(-6.325,-7.422)
  round 2.5 hole 1.6: 13(-7.874,-13.848) 14(7.874,-13.848)
  silkscreen extent -8.3,-21.8 8.3,0.2, body extent -10.69,-21.6 10.69,-0.02, height 15.75
"SO8 P1.27 C4.0X5.0 H1.75" [mm] "8-Pin Small Outline Integrated Circuit 1.27 mm Pitch, IPC Medium Density"
  rrect50% 1.45x0.6 smd: 1(-2.725,1.905) 2(-2.725,0.635) 3(-2.725,-0.635) 4(-2.725,-1.905) 5(2.725,-1.905) 6(2.725,-0.635) 7(2.725,0.635) 8(2.725,1.905)
  silkscreen extent -1.7,-2.5 1.7,2.5, body extent -2,-2.5 2,2.5, height 1.76
SON50P300X300X85-11N [mil]
  rect 32x12 smd: 1(-55,39) 2(-55,20) 3(-55,0) 4(-55,-20) 5(-55,-39) 6(55,-39) 7(55,-20) 8(55,0) 9(55,20) 10(55,39)
  rect 59x88 smd: 11(0,0)
  silkscreen extent -59,-59 59,59
SOT95P280X130-5N [mm]
  rect 1x0.6 smd: 1(-1.4,0.95) 2(-1.4,0) 3(-1.4,-0.95) 4(1.4,-0.95) 5(1.4,0.95)
  silkscreen extent -1.9,-1.45 0.55,1.5, body extent -1.4,-1.45 1.4,1.45, height 1.3
SOT95P280X145-5N [mm]
  rect 1.15x0.6 smd: 1(-1.25,0.95) 2(-1.25,0) 3(-1.25,-0.95) 4(1.25,-0.95) 5(1.25,0.95)
  silkscreen extent -1.83,-1.48 0.33,1.5
"TDK VLCF5020-1" [mm] "Inductor, 2-Leads, Body 5.0x5.0mm"
  rect 2.2x4.9 smd: 1(-1.8,0) 2(1.8,0)
  silkscreen extent -0.5,-2.5 0.5,2.5, body extent -2.5,-2.5 2.5,2.5, height 2
"Test Point Keystone Miniature BLACK" [mm] "Test Point Keystone Miniature BLACK"
  round 2.5 hole 1: 1(0,0)
  silkscreen extent -1.5,-1.5 1.5,1.5, body extent -1.25,-1.25 1.25,1.25, height 5
"Test Point Keystone Miniature RED" [mm] "Test Point Keystone Miniature RED"
  round 2.5 hole 1: 1(0,0)
  silkscreen extent -1.5,-1.5 1.5,1.5, body extent -1.25,-1.25 1.25,1.25, height 5
"USB-C-TH MOLEX 2169890001" [mm] "USB-C  Receptacle Connector 24 Positions Through Hole, Right Angle"
  round 0.75 hole 0.4: A1(-0.39,-5.4) A4(-0.39,-4.5) A5(-0.39,-3.6) A6(-0.39,-2.7) A7(-0.39,-1.8) A9(-0.39,-0.9) A12(-0.39,0) B1(0.39,-0.45) B4(0.39,-1.35) B5(0.39,-2.25) B6(0.39,-3.15) B7(0.39,-4.05) B9(0.39,-4.95) B12(0.39,-5.85)
  oval 1x2 hole 0.6 slot 1.6 at 90 deg: S1(-1.43,-0.5) S2(-1.43,-5.3) S3(1.43,-5.3) S4(1.43,-0.5)
  silkscreen extent -2.3,-10.3 2.3,1.5, body extent -1.87,-13.45 1.89,1.21, height 9.06